# KiCad board kimotor-project.kicad_pcb (continued)
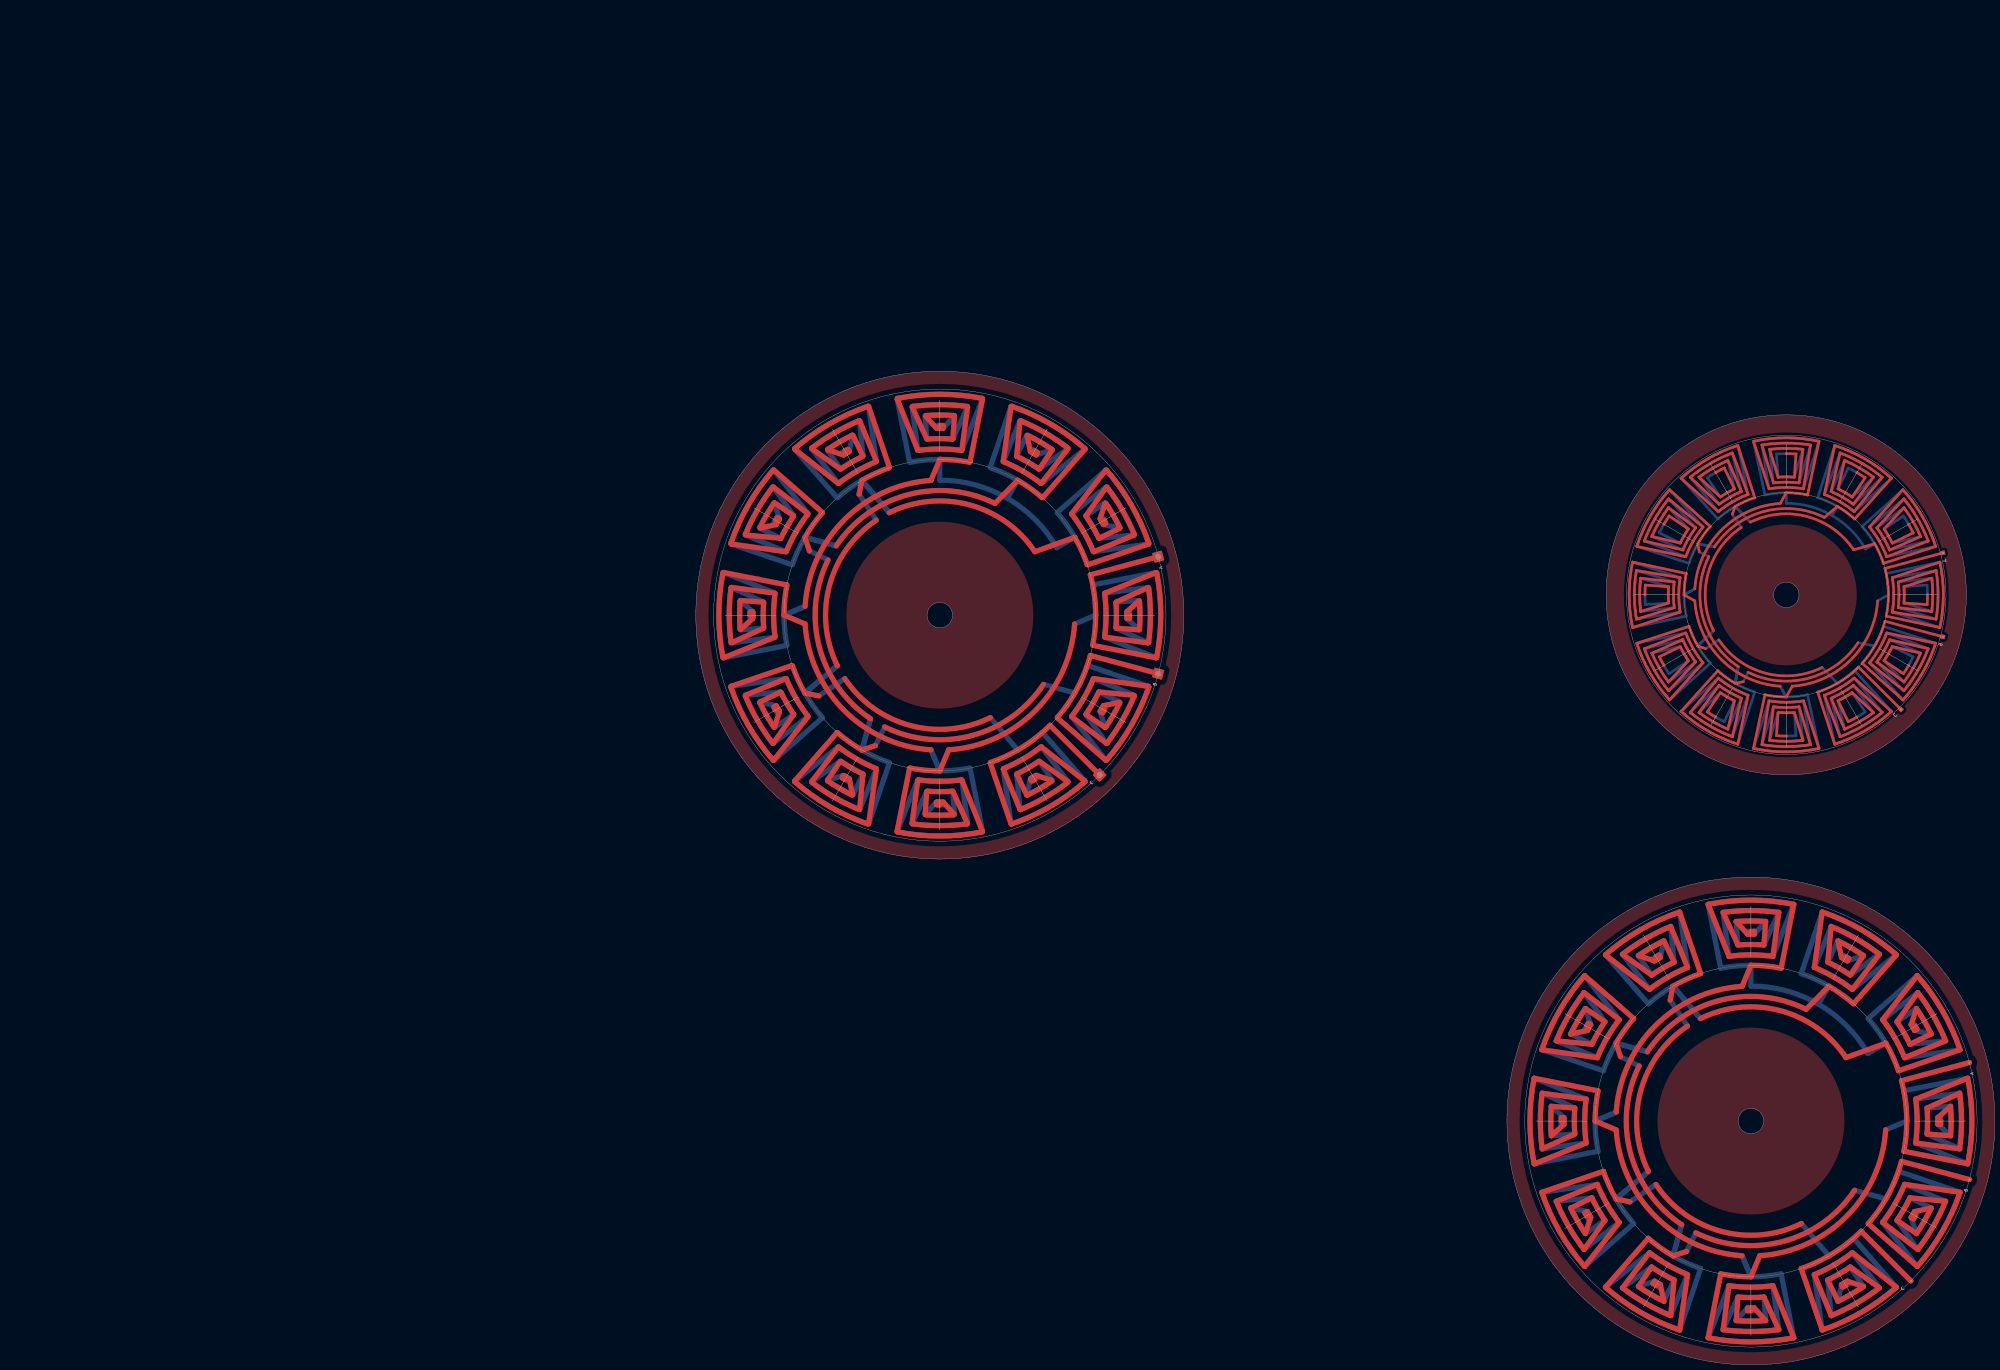
[diagram p0: board, top side]
## Routing (per net, layer and track width the routed paths; a pad name or vN(x,y) marks a point on that pad's centre or on a via; arc(x,y) is an arc through that point) (continued)
-149.25,466.02 ; -154.18,472.81 arc(-146.94,461.33) -149.25,466.02 ; -154.18,472.81 arc(-146.94,461.33) -149.25,466.02 ; -154.18,472.81 arc(-146.94,461.33) -149.25,466.02 ; -154.18,472.81 arc(-146.94,461.33) -149.25,466.02 ; -154.18,472.81 arc(-146.94,461.33) -149.25,466.02 ; -154.18,472.81 arc(-146.94,461.33) -149.25,466.02 ; -154.18,472.81 arc(-146.94,461.33) -149.25,466.02 ; -154.18,472.81 arc(-146.94,461.33) -149.25,466.02 ; -154.18,472.81 arc(-146.94,461.33) -149.25,466.02 ; -138.21,487.2 arc(-130.63,476.77) -125.39,464.99 ; -138.21,487.2 arc(-130.63,476.77) -125.39,464.99 ; -138.21,487.2 arc(-130.63,476.77) -125.39,464.99 ; -138.21,487.2 arc(-130.63,476.77) -125.39,464.99 ; -138.21,487.2 arc(-130.63,476.77) -125.39,464.99 ; -138.21,487.2 arc(-130.63,476.77) -125.39,464.99 ; -138.21,487.2 arc(-130.63,476.77) -125.39,464.99 ; -138.21,487.2 arc(-130.63,476.77) -125.39,464.99 ; -138.21,487.2 arc(-130.63,476.77) -125.39,464.99 ; -125.39,464.99 -144.56,460.95 ; -125.39,464.99 -144.56,460.95 ; -125.39,464.99 -144.56,460.95 ; -125.39,464.99 -144.56,460.95 ; -125.39,464.99 -144.56,460.95 ; -125.39,464.99 -144.56,460.95 ; -125.39,464.99 -144.56,460.95 ; -125.39,464.99 -144.56,460.95 ; -125.39,464.99 -144.56,460.95 ; -144.56,460.95 -125.86,464.83 ; -144.56,460.95 -125.86,464.83 ; -144.56,460.95 -125.86,464.83 ; -144.56,460.95 arc(-147.46,467.06) -151.3,472.62 ; -144.56,460.95 arc(-147.46,467.06) -151.3,472.62 ; -144.56,460.95 arc(-147.46,467.06) -151.3,472.62 ; -144.56,460.95 arc(-147.46,467.06) -151.3,472.62 ; -144.56,460.95 arc(-147.46,467.06) -151.3,472.62 ; -144.56,460.95 arc(-147.46,467.06) -151.3,472.62 ; -144.56,460.95 arc(-147.46,467.06) -151.3,472.62 ; -144.56,460.95 arc(-147.46,467.06) -151.3,472.62 ; -144.56,460.95 arc(-147.46,467.06) -151.3,472.62 ; -144.56,460.95 arc(-147.46,467.06) -151.3,472.62 ; -144.56,460.95 arc(-147.46,467.06) -151.3,472.62 ; -144.56,460.95 arc(-147.46,467.06) -151.3,472.62 ; -225.42,439.28 -242.55,436.5 ; -225.42,439.28 -242.55,436.5 ; -225.42,439.28 -242.55,436.5 ; -225.42,439.28 -242.55,436.5 ; -225.42,439.28 -242.06,436.58 ; -225.42,439.28 -242.55,436.5 ; -225.42,439.28 -242.55,436.5 ; -225.42,439.28 -242.55,436.5 ; -225.42,439.28 -242.06,436.58 ; -225.42,439.28 -242.55,436.5 ; -225.42,439.28 -242.06,436.58 ; -225.42,439.28 -242.55,436.5 ; -225.42,439.28 arc(-225.96,446.02) -225.42,452.76 ; -225.42,439.28 arc(-225.96,446.02) -225.42,452.76 ; -225.42,439.28 arc(-225.96,446.02) -225.42,452.76 ; -225.42,439.28 arc(-225.96,446.02) -225.42,452.76 ; -225.42,439.28 arc(-225.96,446.02) -225.42,452.76 ; -225.42,439.28 arc(-225.96,446.02) -225.42,452.76 ; -225.42,439.28 arc(-225.96,446.02) -225.42,452.76 ; -225.42,439.28 arc(-225.96,446.02) -225.42,452.76 ; -225.42,439.28 arc(-225.96,446.02) -225.42,452.76 ; -225.42,439.28 arc(-225.96,446.02) -225.42,452.76 ; -225.42,439.28 arc(-225.96,446.02) -225.42,452.76 ; -225.42,439.28 arc(-225.96,446.02) -225.42,452.76 ; -180.69,399.93 -180.06,390.86 ; -180.69,399.93 -180.1,391.36 ; -180.69,399.93 -180.06,390.86 ; -180.69,399.93 -180.06,390.86 ; -180.69,399.93 -180.06,390.86 ; -180.69,399.93 -180.1,391.36 ; -180.69,399.93 -180.06,390.86 ; -180.69,399.93 -180.06,390.86 ; -180.69,399.93 -180.1,391.36 ; -180.69,399.93 -180.06,390.86 ; -180.69,399.93 -180.06,390.86 ; -180.69,399.93 -180.06,390.86 ; -180.69,399.93 arc(-183.89,399.82) -187.09,399.93 ; -180.69,399.93 arc(-183.89,399.82) -187.09,399.93 ; -180.69,399.93 arc(-183.89,399.82) -187.09,399.93 ; -180.69,399.93 arc(-183.89,399.82) -187.09,399.93 ; -180.69,399.93 arc(-183.89,399.82) -187.09,399.93 ; -180.69,399.93 arc(-183.89,399.82) -187.09,399.93 ; -180.69,399.93 arc(-183.89,399.82) -187.09,399.93 ; -180.69,399.93 arc(-183.89,399.82) -187.09,399.93 ; -180.69,399.93 arc(-183.89,399.82) -187.09,399.93 ; -180.69,399.93 arc(-183.89,399.82) -187.09,399.93 ; -180.69,399.93 arc(-183.89,399.82) -187.09,399.93 ; -180.69,399.93 arc(-183.89,399.82) -187.09,399.93 ; -180.06,390.86 arc(-191.11,391.2) -183.89,390.73 ; -180.06,390.86 arc(-191.11,391.2) -183.89,390.73 ; -180.06,390.86 arc(-191.11,391.2) -183.89,390.73 ; -180.06,390.86 arc(-191.11,391.2) -183.89,390.73 ; -180.06,390.86 arc(-191.11,391.2) -183.89,390.73 ; -180.06,390.86 arc(-191.11,391.2) -183.89,390.73 ; -180.06,390.86 arc(-191.11,391.2) -183.89,390.73 ; -180.06,390.86 arc(-191.11,391.2) -183.89,390.73 ; -180.06,390.86 arc(-191.11,391.2) -183.89,390.73 ; -164.92,387.52 -168.96,406.69 ; -164.92,387.52 -168.96,406.69 ; -164.92,387.52 -168.96,406.69 ; -164.92,387.52 -168.96,406.69 ; -164.92,387.52 -168.96,406.69 ; -164.92,387.52 -168.96,406.69 ; -164.92,387.52 -168.96,406.69 ; -164.92,387.52 -168.96,406.69 ; -164.92,387.52 -168.96,406.69 ; -168.96,406.69 -165.08,388 ; -168.96,406.69 -165.08,388 ; -168.96,406.69 -165.08,388 ; -168.96,406.69 arc(-162.86,409.59) -157.29,413.43 ; -168.96,406.69 arc(-162.86,409.59) -157.29,413.43 ; -168.96,406.69 arc(-162.86,409.59) -157.29,413.43 ; -168.96,406.69 arc(-162.86,409.59) -157.29,413.43 ; -168.96,406.69 arc(-162.86,409.59) -157.29,413.43 ; -168.96,406.69 arc(-162.86,409.59) -157.29,413.43 ; -168.96,406.69 arc(-162.86,409.59) -157.29,413.43 ; -168.96,406.69 arc(-162.86,409.59) -157.29,413.43 ; -168.96,406.69 arc(-162.86,409.59) -157.29,413.43 ; -168.96,406.69 arc(-162.86,409.59) -157.29,413.43 ; -168.96,406.69 arc(-162.86,409.59) -157.29,413.43 ; -168.96,406.69 arc(-162.86,409.59) -157.29,413.43 ; -209.71,484.34 -214.79,491.88 ; -209.71,484.34 -214.79,491.88 ; -209.71,484.34 -214.79,491.88 ; -209.71,484.34 -214.79,491.88 ; -209.71,484.34 -214.79,491.88 ; -209.71,484.34 -214.51,491.47 ; -209.71,484.34 -214.51,491.47 ; -209.71,484.34 -214.79,491.88 ; -209.71,484.34 -214.79,491.88 ; -209.71,484.34 -214.79,491.88 ; -209.71,484.34 -214.79,491.88 ; -209.71,484.34 -214.51,491.47 ; -209.71,484.34 arc(-206.99,486.04) -204.17,487.54 ; -209.71,484.34 arc(-206.99,486.04) -204.17,487.54 ; -209.71,484.34 arc(-206.99,486.04) -204.17,487.54 ; -209.71,484.34 arc(-206.99,486.04) -204.17,487.54 ; -209.71,484.34 arc(-206.99,486.04) -204.17,487.54 ; -209.71,484.34 arc(-206.99,486.04) -204.17,487.54 ; -209.71,484.34 arc(-206.99,486.04) -204.17,487.54 ; -209.71,484.34 arc(-206.99,486.04) -204.17,487.54 ; -209.71,484.34 arc(-206.99,486.04) -204.17,487.54 ; -209.71,484.34 arc(-206.99,486.04) -204.17,487.54 ; -209.71,484.34 arc(-206.99,486.04) -204.17,487.54 ; -209.71,484.34 arc(-206.99,486.04) -204.17,487.54 ; -214.79,491.88 arc(-205.05,497.11) -211.54,493.91 ; -214.79,491.88 arc(-205.05,497.11) -211.54,493.91 ; -214.79,491.88 arc(-205.05,497.11) -211.54,493.91 ; -214.79,491.88 arc(-205.05,497.11) -211.54,493.91 ; -214.79,491.88 arc(-205.05,497.11) -211.54,493.91 ; -214.79,491.88 arc(-205.05,497.11) -211.54,493.91 ; -214.79,491.88 arc(-205.05,497.11) -211.54,493.91 ; -214.79,491.88 arc(-205.05,497.11) -211.54,493.91 ; -214.79,491.88 arc(-205.05,497.11) -211.54,493.91 ; -177.36,503.01 -180.69,492.11 ; -177.36,503.01 -180.69,492.11 ; -177.36,503.01 -180.69,492.11 ; -177.36,503.01 -180.69,492.11 ; -177.36,503.01 -180.69,492.11 ; -177.36,503.01 -180.69,492.11 ; -177.36,503.01 -180.69,492.11 ; -177.36,503.01 -180.69,492.11 ; -177.36,503.01 -180.69,492.11 ; -177.36,503.01 arc(-183.89,503.39) -190.42,503.01 ; -177.36,503.01 arc(-183.89,503.39) -190.42,503.01 ; -177.36,503.01 arc(-183.89,503.39) -190.42,503.01 ; -177.36,503.01 arc(-183.89,503.39) -190.42,503.01 ; -177.36,503.01 arc(-183.89,503.39) -190.42,503.01 ; -177.36,503.01 arc(-183.89,503.39) -190.42,503.01 ; -177.36,503.01 arc(-183.89,503.39) -190.42,503.01 ; -177.36,503.01 arc(-183.89,503.39) -190.42,503.01 ; -177.36,503.01 arc(-183.89,503.39) -190.42,503.01 ; -180.69,492.11 -177.42,502.52 ; -180.69,492.11 -177.42,502.52 ; -180.69,492.11 -177.42,502.52 ; -224.74,400.72 arc(-214.39,393.19) -202.7,388 ; -224.74,400.72 arc(-214.39,393.19) -202.7,388 ; -224.74,400.72 arc(-214.39,393.19) -202.7,388 ; -148.43,472.3 -137.8,480.17 ; -148.43,472.3 -138.2,479.87 ; -148.43,472.3 -137.8,480.17 ; -148.43,472.3 -137.8,480.17 ; -148.43,472.3 -137.8,480.17 ; -148.43,472.3 -137.8,480.17 ; -148.43,472.3 -137.8,480.17 ; -148.43,472.3 -138.2,479.87 ; -148.43,472.3 -137.8,480.17 ; -148.43,472.3 -138.2,479.87 ; -148.43,472.3 -137.8,480.17 ; -148.43,472.3 -137.8,480.17 ; -148.43,472.3 arc(-145.67,468.09) -143.41,463.6 ; -148.43,472.3 arc(-145.67,468.09) -143.41,463.6 ; -148.43,472.3 arc(-145.67,468.09) -143.41,463.6 ; -148.43,472.3 arc(-145.67,468.09) -143.41,463.6 ; -148.43,472.3 arc(-145.67,468.09) -143.41,463.6 ; -148.43,472.3 arc(-145.67,468.09) -143.41,463.6 ; -148.43,472.3 arc(-145.67,468.09) -143.41,463.6 ; -148.43,472.3 arc(-145.67,468.09) -143.41,463.6 ; -148.43,472.3 arc(-145.67,468.09) -143.41,463.6 ; -148.43,472.3 arc(-145.67,468.09) -143.41,463.6 ; -148.43,472.3 arc(-145.67,468.09) -143.41,463.6 ; -148.43,472.3 arc(-145.67,468.09) -143.41,463.6 ; -137.8,480.17 arc(-134.21,474.7) -131.27,468.87 ; -137.8,480.17 arc(-134.21,474.7) -131.27,468.87 ; -137.8,480.17 arc(-134.21,474.7) -131.27,468.87 ; -137.8,480.17 arc(-134.21,474.7) -131.27,468.87 ; -137.8,480.17 arc(-134.21,474.7) -131.27,468.87 ; -137.8,480.17 arc(-134.21,474.7) -131.27,468.87 ; -137.8,480.17 arc(-134.21,474.7) -131.27,468.87 ; -137.8,480.17 arc(-134.21,474.7) -131.27,468.87 ; -137.8,480.17 arc(-134.21,474.7) -131.27,468.87 ; -206.53,498.18 -204.17,487.54 ; -206.53,498.18 -204.17,487.54 ; -206.53,498.18 -204.17,487.54 ; -206.53,498.18 arc(-212.32,495.27) -217.74,491.71 ; -206.53,498.18 arc(-212.32,495.27) -217.74,491.71 ; -206.53,498.18 arc(-212.32,495.27) -217.74,491.71 ; -204.17,487.54 -206.73,498.64 ; -204.17,487.54 -206.73,498.64 ; -204.17,487.54 -206.73,498.64 ; -204.17,487.54 -206.73,498.64 ; -204.17,487.54 -206.73,498.64 ; -204.17,487.54 -206.73,498.64 ; -204.17,487.54 -206.73,498.64 ; -204.17,487.54 -206.73,498.64 ; -204.17,487.54 -206.73,498.64 ; -240.39,439.55 arc(-240.75,446.02) -240.39,452.49 ; -240.39,439.55 arc(-240.75,446.02) -240.39,452.49 ; -240.39,439.55 arc(-240.75,446.02) -240.39,452.49 ; -223.22,460.95 -239.46,467.11 ; -223.22,460.95 -239.46,467.11 ; -223.22,460.95 -239.46,467.11 ; -223.22,460.95 -239.46,467.11 ; -223.22,460.95 -239.46,467.11 ; -223.22,460.95 -238.99,466.93 ; -223.22,460.95 -238.99,466.93 ; -223.22,460.95 -238.99,466.93 ; -223.22,460.95 -239.46,467.11 ; -223.22,460.95 -239.46,467.11 ; -223.22,460.95 -239.46,467.11 ; -223.22,460.95 -239.46,467.11 ; -213.6,419.24 -229.57,404.84 ; -213.6,419.24 -229.57,404.84 ; -213.6,419.24 -229.57,404.84 ; -213.6,419.24 -229.57,404.84 ; -213.6,419.24 -229.57,404.84 ; -213.6,419.24 -229.57,404.84 ; -213.6,419.24 -229.2,405.18 ; -213.6,419.24 -229.2,405.18 ; -213.6,419.24 -229.2,405.18 ; -213.6,419.24 -229.57,404.84 ; -213.6,419.24 -229.57,404.84 ; -213.6,419.24 -229.57,404.84 ; -213.6,419.24 arc(-220.85,430.71) -218.53,426.02 ; -213.6,419.24 arc(-220.85,430.71) -218.53,426.02 ; -213.6,419.24 arc(-220.85,430.71) -218.53,426.02 ; -213.6,419.24 arc(-220.85,430.71) -218.53,426.02 ; -213.6,419.24 arc(-220.85,430.71) -218.53,426.02 ; -213.6,419.24 arc(-220.85,430.71) -218.53,426.02 ; -213.6,419.24 arc(-220.85,430.71) -218.53,426.02 ; -213.6,419.24 arc(-220.85,430.71) -218.53,426.02 ; -213.6,419.24 arc(-220.85,430.71) -218.53,426.02 ; -213.6,419.24 arc(-220.85,430.71) -218.53,426.02 ; -213.6,419.24 arc(-220.85,430.71) -218.53,426.02 ; -213.6,419.24 arc(-220.85,430.71) -218.53,426.02 ; -192.23,485.14 -196.72,506.17 ; -192.23,485.14 -196.72,506.17 ; -192.23,485.14 -196.72,506.17 ; -192.23,485.14 -196.72,506.17 ; -192.23,485.14 -196.61,505.68 ; -192.23,485.14 -196.72,506.17 ; -192.23,485.14 -196.61,505.68 ; -192.23,485.14 -196.72,506.17 ; -192.23,485.14 -196.72,506.17 ; -192.23,485.14 -196.72,506.17 ; -192.23,485.14 -196.72,506.17 ; -192.23,485.14 -196.61,505.68 ; -192.23,485.14 arc(-178.67,485.68) -183.89,486.02 ; -192.23,485.14 arc(-178.67,485.68) -183.89,486.02 ; -192.23,485.14 arc(-178.67,485.68) -183.89,486.02 ; -192.23,485.14 arc(-178.67,485.68) -183.89,486.02 ; -192.23,485.14 arc(-178.67,485.68) -183.89,486.02 ; -192.23,485.14 arc(-178.67,485.68) -183.89,486.02 ; -192.23,485.14 arc(-178.67,485.68) -183.89,486.02 ; -192.23,485.14 arc(-178.67,485.68) -183.89,486.02 ; -192.23,485.14 arc(-178.67,485.68) -183.89,486.02 ; -192.23,485.14 arc(-178.67,485.68) -183.89,486.02 ; -192.23,485.14 arc(-178.67,485.68) -183.89,486.02 ; -192.23,485.14 arc(-178.67,485.68) -183.89,486.02 ; -126.9,439.49 -137.8,442.82 ; -126.9,439.49 -137.8,442.82 ; -126.9,439.49 -137.8,442.82 ; -126.9,439.49 -137.8,442.82 ; -126.9,439.49 -137.8,442.82 ; -126.9,439.49 -137.8,442.82 ; -126.9,439.49 -137.8,442.82 ; -126.9,439.49 -137.8,442.82 ; -126.9,439.49 -137.8,442.82 ; -137.8,442.82 -127.4,439.55 ; -137.8,442.82 -127.4,439.55 ; -137.8,442.82 -127.4,439.55 ; -137.8,442.82 arc(-137.69,446.02) -137.8,449.22 ; -137.8,442.82 arc(-137.69,446.02) -137.8,449.22 ; -137.8,442.82 arc(-137.69,446.02) -137.8,449.22 ; -137.8,442.82 arc(-137.69,446.02) -137.8,449.22 ; -137.8,442.82 arc(-137.69,446.02) -137.8,449.22 ; -137.8,442.82 arc(-137.69,446.02) -137.8,449.22 ; -137.8,442.82 arc(-137.69,446.02) -137.8,449.22 ; -137.8,442.82 arc(-137.69,446.02) -137.8,449.22 ; -137.8,442.82 arc(-137.69,446.02) -137.8,449.22 ; -137.8,442.82 arc(-137.69,446.02) -137.8,449.22 ; -137.8,442.82 arc(-137.69,446.02) -137.8,449.22 ; -137.8,442.82 arc(-137.69,446.02) -137.8,449.22 ; -223.01,437.68 -244.04,433.2 ; -223.01,437.68 -244.04,433.2 ; -223.01,437.68 -244.04,433.2 ; -223.01,437.68 -243.55,433.3 ; -223.01,437.68 -243.55,433.3 ; -223.01,437.68 -244.04,433.2 ; -223.01,437.68 -244.04,433.2 ; -223.01,437.68 -244.04,433.2 ; -223.01,437.68 -244.04,433.2 ; -223.01,437.68 -244.04,433.2 ; -223.01,437.68 -244.04,433.2 ; -223.01,437.68 -243.55,433.3 ; -223.01,437.68 arc(-223.55,451.24) -223.89,446.02 ; -223.01,437.68 arc(-223.55,451.24) -223.89,446.02 ; -223.01,437.68 arc(-223.55,451.24) -223.89,446.02 ; -223.01,437.68 arc(-223.55,451.24) -223.89,446.02 ; -223.01,437.68 arc(-223.55,451.24) -223.89,446.02 ; -223.01,437.68 arc(-223.55,451.24) -223.89,446.02 ; -223.01,437.68 arc(-223.55,451.24) -223.89,446.02 ; -223.01,437.68 arc(-223.55,451.24) -223.89,446.02 ; -223.01,437.68 arc(-223.55,451.24) -223.89,446.02 ; -223.01,437.68 arc(-223.55,451.24) -223.89,446.02 ; -223.01,437.68 arc(-223.55,451.24) -223.89,446.02 ; -223.01,437.68 arc(-223.55,451.24) -223.89,446.02 ; -244.04,433.2 arc(-245.39,446.02) -244.04,458.85 ; -244.04,433.2 arc(-245.39,446.02) -244.04,458.85 ; -244.04,433.2 arc(-245.39,446.02) -244.04,458.85 ; -244.04,433.2 arc(-245.39,446.02) -244.04,458.85 ; -244.04,433.2 arc(-245.39,446.02) -244.04,458.85 ; -244.04,433.2 arc(-245.39,446.02) -244.04,458.85 ; -244.04,433.2 arc(-245.39,446.02) -244.04,458.85 ; -244.04,433.2 arc(-245.39,446.02) -244.04,458.85 ; -244.04,433.2 arc(-245.39,446.02) -244.04,458.85 ; -236.05,423.38 -225.41,425.74 ; -236.05,423.38 -225.41,425.74 ; -236.05,423.38 -225.41,425.74 ; -236.05,423.38 arc(-233.14,417.59) -229.58,412.17 ; -236.05,423.38 arc(-233.14,417.59) -229.58,412.17 ; -236.05,423.38 arc(-233.14,417.59) -229.58,412.17 ; -225.41,425.74 -236.51,423.18 ; -225.41,425.74 -236.51,423.18 ; -225.41,425.74 -236.51,423.18 ; -225.41,425.74 -236.51,423.18 ; -225.41,425.74 -236.51,423.18 ; -225.41,425.74 -236.51,423.18 ; -225.41,425.74 -236.51,423.18 ; -225.41,425.74 -236.51,423.18 ; -225.41,425.74 -236.51,423.18 ; -146.63,491.68 arc(-154.42,497.06) -162.98,501.12 ; -146.63,491.68 arc(-154.42,497.06) -162.98,501.12 ; -146.63,491.68 arc(-154.42,497.06) -162.98,501.12 ; -229.55,483.28 arc(-234.93,475.49) -238.99,466.93 ; -229.55,483.28 arc(-234.93,475.49) -238.99,466.93 ; -229.55,483.28 arc(-234.93,475.49) -238.99,466.93 ; -190.42,389.03 -187.09,399.93 ; -190.42,389.03 -187.09,399.93 ; -190.42,389.03 -187.09,399.93 ; -190.42,389.03 -187.09,399.93 ; -190.42,389.03 -187.09,399.93 ; -190.42,389.03 -187.09,399.93 ; -190.42,389.03 -187.09,399.93 ; -190.42,389.03 -187.09,399.93 ; -190.42,389.03 -187.09,399.93 ; -190.42,389.03 arc(-183.89,388.66) -177.36,389.03 ; -190.42,389.03 arc(-183.89,388.66) -177.36,389.03 ; -190.42,389.03 arc(-183.89,388.66) -177.36,389.03 ; -190.42,389.03 arc(-183.89,388.66) -177.36,389.03 ; -190.42,389.03 arc(-183.89,388.66) -177.36,389.03 ; -190.42,389.03 arc(-183.89,388.66) -177.36,389.03 ; -190.42,389.03 arc(-183.89,388.66) -177.36,389.03 ; -190.42,389.03 arc(-183.89,388.66) -177.36,389.03 ; -190.42,389.03 arc(-183.89,388.66) -177.36,389.03 ; -187.09,399.93 -190.36,389.53 ; -187.09,399.93 -190.36,389.53 ; -187.09,399.93 -190.36,389.53 ; -241.92,427.21 arc(-236.72,415.52) -229.2,405.18 ; -241.92,427.21 arc(-236.72,415.52) -229.2,405.18 ; -241.92,427.21 arc(-236.72,415.52) -229.2,405.18 ; -128.33,467.11 -143.41,463.6 ; -128.33,467.11 -143.41,463.6 ; -128.33,467.11 -143.41,463.6 ; -128.33,467.11 -143.41,463.6 ; -128.33,467.11 -143.41,463.6 ; -128.33,467.11 -143.41,463.6 ; -128.33,467.11 -143.41,463.6 ; -128.33,467.11 -143.41,463.6 ; -128.33,467.11 -143.41,463.6 ; -128.33,467.11 arc(-132.42,475.74) -137.85,483.6 ; -128.33,467.11 arc(-132.42,475.74) -137.85,483.6 ; -128.33,467.11 arc(-132.42,475.74) -137.85,483.6 ; -128.33,467.11 arc(-132.42,475.74) -137.85,483.6 ; -128.33,467.11 arc(-132.42,475.74) -137.85,483.6 ; -128.33,467.11 arc(-132.42,475.74) -137.85,483.6 ; -128.33,467.11 arc(-132.42,475.74) -137.85,483.6 ; -128.33,467.11 arc(-132.42,475.74) -137.85,483.6 ; -128.33,467.11 arc(-132.42,475.74) -137.85,483.6 ; -143.41,463.6 -128.79,466.93 ; -143.41,463.6 -128.79,466.93 ; -143.41,463.6 -128.79,466.93 ; -216.48,419.42 -229.93,408.44 ; -216.48,419.42 -229.93,408.44 ; -216.48,419.42 -229.55,408.76 ; -216.48,419.42 -229.93,408.44 ; -216.48,419.42 -229.93,408.44 ; -216.48,419.42 -229.93,408.44 ; -216.48,419.42 -229.55,408.76 ; -216.48,419.42 -229.93,408.44 ; -216.48,419.42 -229.93,408.44 ; -216.48,419.42 -229.93,408.44 ; -216.48,419.42 -229.55,408.76 ; -216.48,419.42 -229.93,408.44 ; -229.98,442.82 -239.05,442.2 ; -229.98,442.82 -239.05,442.2 ; -229.98,442.82 -238.56,442.23 ; -229.98,442.82 -239.05,442.2 ; -229.98,442.82 -239.05,442.2 ; -229.98,442.82 -239.05,442.2 ; -229.98,442.82 -238.56,442.23 ; -229.98,442.82 -239.05,442.2 ; -229.98,442.82 -239.05,442.2 ; -229.98,442.82 -239.05,442.2 ; -229.98,442.82 -238.56,442.23 ; -229.98,442.82 -239.05,442.2 ; -239.05,442.2 arc(-238.71,453.24) -239.19,446.02 ; -239.05,442.2 arc(-238.71,453.24) -239.19,446.02 ; -239.05,442.2 arc(-238.71,453.24) -239.19,446.02 ; -239.05,442.2 arc(-238.71,453.24) -239.19,446.02 ; -239.05,442.2 arc(-238.71,453.24) -239.19,446.02 ; -239.05,442.2 arc(-238.71,453.24) -239.19,446.02 ; -239.05,442.2 arc(-238.71,453.24) -239.19,446.02 ; -239.05,442.2 arc(-238.71,453.24) -239.19,446.02 ; -239.05,442.2 arc(-238.71,453.24) -239.19,446.02 ; -201.47,405.54 -206.73,393.4 ; -201.47,405.54 -206.73,393.4 ; -201.47,405.54 -206.73,393.4 ; -201.47,405.54 -206.53,393.86 ; -201.47,405.54 -206.73,393.4 ; -201.47,405.54 -206.53,393.86 ; -201.47,405.54 -206.73,393.4 ; -201.47,405.54 -206.73,393.4 ; -201.47,405.54 -206.53,393.86 ; -201.47,405.54 -206.73,393.4 ; -201.47,405.54 -206.73,393.4 ; -201.47,405.54 -206.73,393.4 ; -201.47,405.54 arc(-205.96,407.8) -210.16,410.56 ; -201.47,405.54 arc(-205.96,407.8) -210.16,410.56 ; -201.47,405.54 arc(-205.96,407.8) -210.16,410.56 ; -201.47,405.54 arc(-205.96,407.8) -210.16,410.56 ; -201.47,405.54 arc(-205.96,407.8) -210.16,410.56 ; -201.47,405.54 arc(-205.96,407.8) -210.16,410.56 ; -201.47,405.54 arc(-205.96,407.8) -210.16,410.56 ; -201.47,405.54 arc(-205.96,407.8) -210.16,410.56 ; -201.47,405.54 arc(-205.96,407.8) -210.16,410.56 ; -201.47,405.54 arc(-205.96,407.8) -210.16,410.56 ; -201.47,405.54 arc(-205.96,407.8) -210.16,410.56 ; -201.47,405.54 arc(-205.96,407.8) -210.16,410.56 ; -206.73,393.4 arc(-212.57,396.34) -218.04,399.93 ; -206.73,393.4 arc(-212.57,396.34) -218.04,399.93 ; -206.73,393.4 arc(-212.57,396.34) -218.04,399.93 ; -206.73,393.4 arc(-212.57,396.34) -218.04,399.93 ; -206.73,393.4 arc(-212.57,396.34) -218.04,399.93 ; -206.73,393.4 arc(-212.57,396.34) -218.04,399.93 ; -206.73,393.4 arc(-212.57,396.34) -218.04,399.93 ; -206.73,393.4 arc(-212.57,396.34) -218.04,399.93 ; -206.73,393.4 arc(-212.57,396.34) -218.04,399.93 ; -127.4,452.49 arc(-127.03,446.02) -127.4,439.55 ; -127.4,452.49 arc(-127.03,446.02) -127.4,439.55 ; -127.4,452.49 arc(-127.03,446.02) -127.4,439.55 ; -188.91,489.87 -190.42,503.01 ; -188.91,489.87 -190.42,503.01 ; -188.91,489.87 -190.42,503.01 ; -188.91,489.87 -190.42,503.01 ; -188.91,489.87 -190.42,503.01 ; -188.91,489.87 -190.42,503.01 ; -188.91,489.87 -190.42,503.01 ; -188.91,489.87 -190.42,503.01 ; -188.91,489.87 -190.36,502.52 ; -188.91,489.87 -190.36,502.52 ; -188.91,489.87 -190.42,503.01 ; -188.91,489.87 -190.36,502.52 ; -162.98,390.92 -166.31,405.54 ; -162.98,390.92 -166.31,405.54 ; -162.98,390.92 -166.31,405.54 ; -162.98,390.92 arc(-154.42,394.99) -146.63,400.36 ; -162.98,390.92 arc(-154.42,394.99) -146.63,400.36 ; -162.98,390.92 arc(-154.42,394.99) -146.63,400.36 ; -166.31,405.54 -162.8,390.46 ; -166.31,405.54 -162.8,390.46 ; -166.31,405.54 -162.8,390.46 ; -166.31,405.54 -162.8,390.46 ; -166.31,405.54 -162.8,390.46 ; -166.31,405.54 -162.8,390.46 ; -166.31,405.54 -162.8,390.46 ; -166.31,405.54 -162.8,390.46 ; -166.31,405.54 -162.8,390.46 ; -145.57,471.84 -138.03,476.92 ; -145.57,471.84 -138.03,476.92 ; -145.57,471.84 -138.03,476.92 ; -145.57,471.84 -138.45,476.64 ; -145.57,471.84 -138.03,476.92 ; -145.57,471.84 -138.03,476.92 ; -145.57,471.84 -138.45,476.64 ; -145.57,471.84 -138.03,476.92 ; -145.57,471.84 -138.03,476.92 ; -145.57,471.84 -138.45,476.64 ; -145.57,471.84 -138.03,476.92 ; -145.57,471.84 -138.03,476.92 ; -145.57,471.84 arc(-143.88,469.12) -142.37,466.3 ; -145.57,471.84 arc(-143.88,469.12) -142.37,466.3 ; -145.57,471.84 arc(-143.88,469.12) -142.37,466.3 ; -145.57,471.84 arc(-143.88,469.12) -142.37,466.3 ; -145.57,471.84 arc(-143.88,469.12) -142.37,466.3 ; -145.57,471.84 arc(-143.88,469.12) -142.37,466.3 ; -145.57,471.84 arc(-143.88,469.12) -142.37,466.3 ; -145.57,471.84 arc(-143.88,469.12) -142.37,466.3 ; -145.57,471.84 arc(-143.88,469.12) -142.37,466.3 ; -145.57,471.84 arc(-143.88,469.12) -142.37,466.3 ; -145.57,471.84 arc(-143.88,469.12) -142.37,466.3 ; -145.57,471.84 arc(-143.88,469.12) -142.37,466.3 ; -138.03,476.92 arc(-132.8,467.18) -136,473.67 ; -138.03,476.92 arc(-132.8,467.18) -136,473.67 ; -138.03,476.92 arc(-132.8,467.18) -136,473.67 ; -138.03,476.92 arc(-132.8,467.18) -136,473.67 ; -138.03,476.92 arc(-132.8,467.18) -136,473.67 ; -138.03,476.92 arc(-132.8,467.18) -136,473.67 ; -138.03,476.92 arc(-132.8,467.18) -136,473.67 ; -138.03,476.92 arc(-132.8,467.18) -136,473.67 ; -138.03,476.92 arc(-132.8,467.18) -136,473.67 ; -138.23,408.76 -148.43,419.75 ; -138.23,408.76 -148.43,419.75 ; -138.23,408.76 -148.43,419.75 ; -138.23,408.76 arc(-132.85,416.56) -128.79,425.11 ; -138.23,408.76 arc(-132.85,416.56) -128.79,425.11 ; -138.23,408.76 arc(-132.85,416.56) -128.79,425.11 ; -148.43,419.75 -137.85,408.44 ; -148.43,419.75 -137.85,408.44 ; -148.43,419.75 -137.85,408.44 ; -148.43,419.75 -137.85,408.44 ; -148.43,419.75 -137.85,408.44 ; -148.43,419.75 -137.85,408.44 ; -148.43,419.75 -137.85,408.44 ; -148.43,419.75 -137.85,408.44 ; -148.43,419.75 -137.85,408.44 ; -150.04,400.33 arc(-155.46,396.78) -161.25,393.86 ; -150.04,400.33 arc(-155.46,396.78) -161.25,393.86 ; -150.04,400.33 arc(-155.46,396.78) -161.25,393.86 ; -210.16,481.49 -217.74,491.71 ; -210.16,481.49 -218.04,492.11 ; -210.16,481.49 -217.74,491.71 ; -210.16,481.49 -217.74,491.71 ; -210.16,481.49 -218.04,492.11 ; -210.16,481.49 -218.04,492.11 ; -210.16,481.49 -218.04,492.11 ; -210.16,481.49 -218.04,492.11 ; -210.16,481.49 -218.04,492.11 ; -210.16,481.49 -218.04,492.11 ; -210.16,481.49 -218.04,492.11 ; -210.16,481.49 -218.04,492.11 ; -210.16,481.49 arc(-205.96,484.24) -201.47,486.51 ; -210.16,481.49 arc(-205.96,484.24) -201.47,486.51 ; -210.16,481.49 arc(-205.96,484.24) -201.47,486.51 ; -210.16,481.49 arc(-205.96,484.24) -201.47,486.51 ; -210.16,481.49 arc(-205.96,484.24) -201.47,486.51 ; -210.16,481.49 arc(-205.96,484.24) -201.47,486.51 ; -210.16,481.49 arc(-205.96,484.24) -201.47,486.51 ; -210.16,481.49 arc(-205.96,484.24) -201.47,486.51 ; -210.16,481.49 arc(-205.96,484.24) -201.47,486.51 ; -210.16,481.49 arc(-205.96,484.24) -201.47,486.51 ; -210.16,481.49 arc(-205.96,484.24) -201.47,486.51 ; -210.16,481.49 arc(-205.96,484.24) -201.47,486.51 ; -236.05,468.67 arc(-233.14,474.45) -229.58,479.87 ; -236.05,468.67 arc(-233.14,474.45) -229.58,479.87 ; -236.05,468.67 arc(-233.14,474.45) -229.58,479.87 ; -242.06,455.46 arc(-242.82,446.02) -242.06,436.58 ; -242.06,455.46 arc(-242.82,446.02) -242.06,436.58 ; -242.06,455.46 arc(-242.82,446.02) -242.06,436.58 ; -175.55,406.9 -171.17,386.36 ; -175.55,406.9 -171.17,386.36 ; -175.55,406.9 -171.07,385.87 ; -175.55,406.9 -171.17,386.36 ; -175.55,406.9 -171.07,385.87 ; -175.55,406.9 -171.07,385.87 ; -175.55,406.9 -171.07,385.87 ; -175.55,406.9 -171.07,385.87 ; -175.55,406.9 -171.07,385.87 ; -175.55,406.9 -171.07,385.87 ; -175.55,406.9 -171.07,385.87 ; -175.55,406.9 -171.07,385.87 ; -175.55,406.9 arc(-189.11,406.36) -183.89,406.02 ; -175.55,406.9 arc(-189.11,406.36) -183.89,406.02 ; -175.55,406.9 arc(-189.11,406.36) -183.89,406.02 ; -175.55,406.9 arc(-189.11,406.36) -183.89,406.02 ; -175.55,406.9 arc(-189.11,406.36) -183.89,406.02 ; -175.55,406.9 arc(-189.11,406.36) -183.89,406.02 ; -175.55,406.9 arc(-189.11,406.36) -183.89,406.02 ; -175.55,406.9 arc(-189.11,406.36) -183.89,406.02 ; -175.55,406.9 arc(-189.11,406.36) -183.89,406.02 ; -175.55,406.9 arc(-189.11,406.36) -183.89,406.02 ; -175.55,406.9 arc(-189.11,406.36) -183.89,406.02 ; -175.55,406.9 arc(-189.11,406.36) -183.89,406.02 ; -171.17,386.36 arc(-183.89,385.02) -196.61,386.36 ; -171.17,386.36 arc(-183.89,385.02) -196.61,386.36 ; -171.17,386.36 arc(-183.89,385.02) -196.61,386.36 ; -187.72,501.19 arc(-176.67,500.84) -183.89,501.32 ; -187.72,501.19 arc(-176.67,500.84) -183.89,501.32 ; -187.72,501.19 arc(-176.67,500.84) -183.89,501.32 ; -187.72,501.19 arc(-176.67,500.84) -183.89,501.32 ; -187.72,501.19 arc(-176.67,500.84) -183.89,501.32 ; -187.72,501.19 arc(-176.67,500.84) -183.89,501.32 ; -187.72,501.19 arc(-176.67,500.84) -183.89,501.32 ; -187.72,501.19 arc(-176.67,500.84) -183.89,501.32 ; -187.72,501.19 arc(-176.67,500.84) -183.89,501.32 ; -137.85,408.44 arc(-132.42,416.31) -128.33,424.94 ; -137.85,408.44 arc(-132.42,416.31) -128.33,424.94 ; -137.85,408.44 arc(-132.42,416.31) -128.33,424.94 ; -137.85,408.44 arc(-132.42,416.31) -128.33,424.94 ; -137.85,408.44 arc(-132.42,416.31) -128.33,424.94 ; -137.85,408.44 arc(-132.42,416.31) -128.33,424.94 ; -137.85,408.44 arc(-132.42,416.31) -128.33,424.94 ; -137.85,408.44 arc(-132.42,416.31) -128.33,424.94 ; -137.85,408.44 arc(-132.42,416.31) -128.33,424.94 ; -168.96,485.35 -162.8,501.59 ; -168.96,485.35 -162.98,501.12 ; -168.96,485.35 -162.8,501.59 ; -168.96,485.35 -162.98,501.12 ; -168.96,485.35 -162.8,501.59 ; -168.96,485.35 -162.8,501.59 ; -168.96,485.35 -162.8,501.59 ; -168.96,485.35 -162.8,501.59 ; -168.96,485.35 -162.8,501.59 ; -168.96,485.35 -162.98,501.12 ; -168.96,485.35 -162.8,501.59 ; -168.96,485.35 -162.8,501.59 ; -168.96,485.35 arc(-162.86,482.45) -157.29,478.61 ; -168.96,485.35 arc(-162.86,482.45) -157.29,478.61 ; -168.96,485.35 arc(-162.86,482.45) -157.29,478.61 ; -168.96,485.35 arc(-162.86,482.45) -157.29,478.61 ; -168.96,485.35 arc(-162.86,482.45) -157.29,478.61 ; -168.96,485.35 arc(-162.86,482.45) -157.29,478.61 ; -168.96,485.35 arc(-162.86,482.45) -157.29,478.61 ; -168.96,485.35 arc(-162.86,482.45) -157.29,478.61 ; -168.96,485.35 arc(-162.86,482.45) -157.29,478.61 ; -168.96,485.35 arc(-162.86,482.45) -157.29,478.61 ; -168.96,485.35 arc(-162.86,482.45) -157.29,478.61 ; -168.96,485.35 arc(-162.86,482.45) -157.29,478.61 ; -138.2,479.87 arc(-134.64,474.45) -131.73,468.67 ; -138.2,479.87 arc(-134.64,474.45) -131.73,468.67 ; -138.2,479.87 arc(-134.64,474.45) -131.73,468.67 ; -144.56,431.1 -128.33,424.94 ; -144.56,431.1 -128.79,425.11 ; -144.56,431.1 -128.33,424.94 ; -144.56,431.1 -128.33,424.94 ; -144.56,431.1 -128.33,424.94 ; -144.56,431.1 -128.33,424.94 ; -144.56,431.1 -128.33,424.94 ; -144.56,431.1 -128.33,424.94 ; -144.56,431.1 -128.79,425.11 ; -144.56,431.1 -128.33,424.94 ; -144.56,431.1 -128.33,424.94 ; -144.56,431.1 -128.79,425.11 ; -144.56,431.1 arc(-147.46,424.99) -151.3,419.42 ; -144.56,431.1 arc(-147.46,424.99) -151.3,419.42 ; -144.56,431.1 arc(-147.46,424.99) -151.3,419.42 ; -144.56,431.1 arc(-147.46,424.99) -151.3,419.42 ; -144.56,431.1 arc(-147.46,424.99) -151.3,419.42 ; -144.56,431.1 arc(-147.46,424.99) -151.3,419.42 ; -144.56,431.1 arc(-147.46,424.99) -151.3,419.42 ; -144.56,431.1 arc(-147.46,424.99) -151.3,419.42 ; -144.56,431.1 arc(-147.46,424.99) -151.3,419.42 ; -144.56,431.1 arc(-147.46,424.99) -151.3,419.42 ; -144.56,431.1 arc(-147.46,424.99) -151.3,419.42 ; -144.56,431.1 arc(-147.46,424.99) -151.3,419.42 ; -151.3,472.62 -137.85,483.6 ; -151.3,472.62 -137.85,483.6 ; -151.3,472.62 -137.85,483.6 ; -151.3,472.62 -137.85,483.6 ; -151.3,472.62 -137.85,483.6 ; -151.3,472.62 -137.85,483.6 ; -151.3,472.62 -137.85,483.6 ; -151.3,472.62 -137.85,483.6 ; -151.3,472.62 -138.23,483.28 ; -151.3,472.62 -137.85,483.6 ; -151.3,472.62 -138.23,483.28 ; -151.3,472.62 -138.23,483.28 ; -171.55,484.07 -164.92,504.52 ; -171.55,484.07 -164.92,504.52 ; -171.55,484.07 -165.08,504.05 ; -171.55,484.07 -165.08,504.05 ; -171.55,484.07 -164.92,504.52 ; -171.55,484.07 -165.08,504.05 ; -171.55,484.07 -164.92,504.52 ; -171.55,484.07 -164.92,504.52 ; -171.55,484.07 -164.92,504.52 ; -171.55,484.07 -164.92,504.52 ; -171.55,484.07 -164.92,504.52 ; -171.55,484.07 -164.92,504.52 ; -171.55,484.07 arc(-159.54,477.76) -163.89,480.66 ; -171.55,484.07 arc(-159.54,477.76) -163.89,480.66 ; -171.55,484.07 arc(-159.54,477.76) -163.89,480.66 ; -171.55,484.07 arc(-159.54,477.76) -163.89,480.66 ; -171.55,484.07 arc(-159.54,477.76) -163.89,480.66 ; -171.55,484.07 arc(-159.54,477.76) -163.89,480.66 ; -171.55,484.07 arc(-159.54,477.76) -163.89,480.66 ; -171.55,484.07 arc(-159.54,477.76) -163.89,480.66 ; -171.55,484.07 arc(-159.54,477.76) -163.89,480.66 ; -171.55,484.07 arc(-159.54,477.76) -163.89,480.66 ; -171.55,484.07 arc(-159.54,477.76) -163.89,480.66 ; -171.55,484.07 arc(-159.54,477.76) -163.89,480.66 ; -164.92,504.52 arc(-153.14,499.28) -142.71,491.7 ; -164.92,504.52 arc(-153.14,499.28) -142.71,491.7 ; -164.92,504.52 arc(-153.14,499.28) -142.71,491.7 ; -164.92,504.52 arc(-153.14,499.28) -142.71,491.7 ; -164.92,504.52 arc(-153.14,499.28) -142.71,491.7 ; -164.92,504.52 arc(-153.14,499.28) -142.71,491.7 ; -164.92,504.52 arc(-153.14,499.28) -142.71,491.7 ; -164.92,504.52 arc(-153.14,499.28) -142.71,491.7 ; -164.92,504.52 arc(-153.14,499.28) -142.71,491.7 ; -131.27,468.87 -142.37,466.3 ; -131.27,468.87 -142.37,466.3 ; -131.27,468.87 -142.37,466.3 ; -131.27,468.87 -142.37,466.3 ; -131.27,468.87 -142.37,466.3 ; -131.27,468.87 -142.37,466.3 ; -131.27,468.87 -142.37,466.3 ; -131.27,468.87 -142.37,466.3 ; -131.27,468.87 -142.37,466.3 ; -142.37,466.3 -131.73,468.67 ; -142.37,466.3 -131.73,468.67 ; -142.37,466.3 -131.73,468.67 ; -204.8,501.12 -201.47,486.51 ; -204.8,501.12 -201.47,486.51 ; -204.8,501.12 -201.47,486.51 ; -204.8,501.12 arc(-213.36,497.06) -221.15,491.68 ; -204.8,501.12 arc(-213.36,497.06) -221.15,491.68 ; -204.8,501.12 arc(-213.36,497.06) -221.15,491.68 ; -201.47,486.51 -204.98,501.59 ; -201.47,486.51 -204.98,501.59 ; -201.47,486.51 -204.98,501.59 ; -201.47,486.51 -204.98,501.59 ; -201.47,486.51 -204.98,501.59 ; -201.47,486.51 -204.98,501.59 ; -201.47,486.51 -204.98,501.59 ; -201.47,486.51 -204.98,501.59 ; -201.47,486.51 -204.98,501.59 ; -229.98,480.17 -222.21,471.84 ; -229.98,480.17 -222.21,471.84 ; -229.98,480.17 -222.21,471.84 ; -229.98,480.17 -222.21,471.84 ; -229.98,480.17 -222.21,471.84 ; -229.98,480.17 -222.21,471.84 ; -229.98,480.17 -222.21,471.84 ; -229.98,480.17 -222.21,471.84 ; -229.98,480.17 -222.21,471.84 ; -222.21,471.84 -229.58,479.87 ; -222.21,471.84 -229.58,479.87 ; -222.21,471.84 -229.58,479.87 ; -222.21,471.84 arc(-223.9,469.12) -225.41,466.3 ; -222.21,471.84 arc(-223.9,469.12) -225.41,466.3 ; -222.21,471.84 arc(-223.9,469.12) -225.41,466.3 ; -222.21,471.84 arc(-223.9,469.12) -225.41,466.3 ; -222.21,471.84 arc(-223.9,469.12) -225.41,466.3 ; -222.21,471.84 arc(-223.9,469.12) -225.41,466.3 ; -222.21,471.84 arc(-223.9,469.12) -225.41,466.3 ; -222.21,471.84 arc(-223.9,469.12) -225.41,466.3 ; -222.21,471.84 arc(-223.9,469.12) -225.41,466.3 ; -222.21,471.84 arc(-223.9,469.12) -225.41,466.3 ; -222.21,471.84 arc(-223.9,469.12) -225.41,466.3 ; -222.21,471.84 arc(-223.9,469.12) -225.41,466.3 ; -190.36,389.53 arc(-183.89,389.16) -177.42,389.53 ; -190.36,389.53 arc(-183.89,389.16) -177.42,389.53 ; -190.36,389.53 arc(-183.89,389.16) -177.42,389.53 ; -196.72,385.87 -190.63,404.5 ; -196.72,385.87 -190.63,404.5 ; -196.72,385.87 -190.63,404.5 ; -196.72,385.87 -190.63,404.5 ; -196.72,385.87 -190.63,404.5 ; -196.72,385.87 -190.63,404.5 ; -196.72,385.87 -190.63,404.5 ; -196.72,385.87 -190.63,404.5 ; -196.72,385.87 -190.63,404.5 ; -196.72,385.87 arc(-183.89,384.52) -171.07,385.87 ; -196.72,385.87 arc(-183.89,384.52) -171.07,385.87 ; -196.72,385.87 arc(-183.89,384.52) -171.07,385.87 ; -196.72,385.87 arc(-183.89,384.52) -171.07,385.87 ; -196.72,385.87 arc(-183.89,384.52) -171.07,385.87 ; -196.72,385.87 arc(-183.89,384.52) -171.07,385.87 ; -196.72,385.87 arc(-183.89,384.52) -171.07,385.87 ; -196.72,385.87 arc(-183.89,384.52) -171.07,385.87 ; -196.72,385.87 arc(-183.89,384.52) -171.07,385.87 ; -190.63,404.5 -196.61,386.36 ; -190.63,404.5 -196.61,386.36 ; -190.63,404.5 -196.61,386.36 ; -174.37,504.69 arc(-183.89,505.45) -193.41,504.69 ; -174.37,504.69 arc(-183.89,505.45) -193.41,504.69 ; -174.37,504.69 arc(-183.89,505.45) -193.41,504.69 ; -174.37,504.69 arc(-183.89,505.45) -193.41,504.69 ; -174.37,504.69 arc(-183.89,505.45) -193.41,504.69 ; -174.37,504.69 arc(-183.89,505.45) -193.41,504.69 ; -174.37,504.69 arc(-183.89,505.45) -193.41,504.69 ; -174.37,504.69 arc(-183.89,505.45) -193.41,504.69 ; -174.37,504.69 arc(-183.89,505.45) -193.41,504.69 ; -206.73,498.64 arc(-212.57,495.7) -218.04,492.11 ; -206.73,498.64 arc(-212.57,495.7) -218.04,492.11 ; -206.73,498.64 arc(-212.57,495.7) -218.04,492.11 ; -206.73,498.64 arc(-212.57,495.7) -218.04,492.11 ; -206.73,498.64 arc(-212.57,495.7) -218.04,492.11 ; -206.73,498.64 arc(-212.57,495.7) -218.04,492.11 ; -206.73,498.64 arc(-212.57,495.7) -218.04,492.11 ; -206.73,498.64 arc(-212.57,495.7) -218.04,492.11 ; -206.73,498.64 arc(-212.57,495.7) -218.04,492.11 ; -236.51,423.18 arc(-233.57,417.34) -229.98,411.87 ; -236.51,423.18 arc(-233.57,417.34) -229.98,411.87 ; -236.51,423.18 arc(-233.57,417.34) -229.98,411.87 ; -236.51,423.18 arc(-233.57,417.34) -229.98,411.87 ; -236.51,423.18 arc(-233.57,417.34) -229.98,411.87 ; -236.51,423.18 arc(-233.57,417.34) -229.98,411.87 ; -236.51,423.18 arc(-233.57,417.34) -229.98,411.87 ; -236.51,423.18 arc(-233.57,417.34) -229.98,411.87 ; -236.51,423.18 arc(-233.57,417.34) -229.98,411.87 ; -138.58,405.18 -151.3,419.42 ; -138.58,405.18 -151.3,419.42 ; -138.58,405.18 -151.3,419.42 ; -138.58,405.18 arc(-131.06,415.52) -125.86,427.21 ; -138.58,405.18 arc(-131.06,415.52) -125.86,427.21 ; -138.58,405.18 arc(-131.06,415.52) -125.86,427.21 ; -151.3,419.42 -138.21,404.84 ; -151.3,419.42 -138.21,404.84 ; -151.3,419.42 -138.21,404.84 ; -151.3,419.42 -138.21,404.84 ; -151.3,419.42 -138.21,404.84 ; -151.3,419.42 -138.21,404.84 ; -151.3,419.42 -138.21,404.84 ; -151.3,419.42 -138.21,404.84 ; -151.3,419.42 -138.21,404.84 ; -178.87,402.17 -177.36,389.03 ; -178.87,402.17 -177.36,389.03 ; -178.87,402.17 -177.36,389.03 ; -178.87,402.17 -177.36,389.03 ; -178.87,402.17 -177.42,389.53 ; -178.87,402.17 -177.36,389.03 ; -178.87,402.17 -177.42,389.53 ; -178.87,402.17 -177.36,389.03 ; -178.87,402.17 -177.36,389.03 ; -178.87,402.17 -177.36,389.03 ; -178.87,402.17 -177.42,389.53 ; -178.87,402.17 -177.36,389.03 ; -166.31,486.51 -161.05,498.64 ; -166.31,486.51 -161.05,498.64 ; -166.31,486.51 -161.05,498.64 ; -166.31,486.51 -161.25,498.18 ; -166.31,486.51 -161.05,498.64 ; -166.31,486.51 -161.05,498.64 ; -166.31,486.51 -161.05,498.64 ; -166.31,486.51 -161.05,498.64 ; -166.31,486.51 -161.25,498.18 ; -166.31,486.51 -161.05,498.64 ; -166.31,486.51 -161.05,498.64 ; -166.31,486.51 -161.25,498.18 ; -161.05,498.64 arc(-155.21,495.7) -149.74,492.11 ; -161.05,498.64 arc(-155.21,495.7) -149.74,492.11 ; -161.05,498.64 arc(-155.21,495.7) -149.74,492.11 ; -161.05,498.64 arc(-155.21,495.7) -149.74,492.11 ; -161.05,498.64 arc(-155.21,495.7) -149.74,492.11 ; -161.05,498.64 arc(-155.21,495.7) -149.74,492.11 ; -161.05,498.64 arc(-155.21,495.7) -149.74,492.11 ; -161.05,498.64 arc(-155.21,495.7) -149.74,492.11 ; -161.05,498.64 arc(-155.21,495.7) -149.74,492.11 ; -157.29,413.43 -146.63,400.36 ; -157.29,413.43 -146.31,399.98 ; -157.29,413.43 -146.31,399.98 ; -157.29,413.43 -146.31,399.98 ; -157.29,413.43 -146.31,399.98 ; -157.29,413.43 -146.63,400.36 ; -157.29,413.43 -146.31,399.98 ; -157.29,413.43 -146.31,399.98 ; -157.29,413.43 -146.31,399.98 ; -157.29,413.43 -146.63,400.36 ; -157.29,413.43 -146.31,399.98 ; -157.29,413.43 -146.31,399.98 ; -174.45,387.85 arc(-183.89,387.09) -193.33,387.85 ; -174.45,387.85 arc(-183.89,387.09) -193.33,387.85 ; -174.45,387.85 arc(-183.89,387.09) -193.33,387.85 ; -128.79,466.93 arc(-132.85,475.49) -138.23,483.28 ; -128.79,466.93 arc(-132.85,475.49) -138.23,483.28 ; -128.79,466.93 arc(-132.85,475.49) -138.23,483.28 ; -221.15,400.36 -210.16,410.56 ; -221.15,400.36 -210.16,410.56 ; -221.15,400.36 -210.16,410.56 ; -221.15,400.36 arc(-213.36,394.99) -204.8,390.92 ; -221.15,400.36 arc(-213.36,394.99) -204.8,390.92 ; -221.15,400.36 arc(-213.36,394.99) -204.8,390.92 ; -210.16,410.56 -221.47,399.98 ; -210.16,410.56 -221.47,399.98 ; -210.16,410.56 -221.47,399.98 ; -210.16,410.56 -221.47,399.98 ; -210.16,410.56 -221.47,399.98 ; -210.16,410.56 -221.47,399.98 ; -210.16,410.56 -221.47,399.98 ; -210.16,410.56 -221.47,399.98 ; -210.16,410.56 -221.47,399.98 ; -180.1,391.36 arc(-191.04,391.69) -183.89,391.23 ; -180.1,391.36 arc(-191.04,391.69) -183.89,391.23 ; -180.1,391.36 arc(-191.04,391.69) -183.89,391.23 ; -165.08,388 arc(-153.39,393.19) -143.04,400.72 ; -165.08,388 arc(-153.39,393.19) -143.04,400.72 ; -165.08,388 arc(-153.39,393.19) -143.04,400.72 ; -138.45,476.64 arc(-133.27,466.99) -136.44,473.42 ; -138.45,476.64 arc(-133.27,466.99) -136.44,473.42 ; -138.45,476.64 arc(-133.27,466.99) -136.44,473.42 ; -163.61,487.54 -159.84,495.26 ; -163.61,487.54 -159.62,495.71 ; -163.61,487.54 -159.84,495.26 ; -163.61,487.54 -159.62,495.71 ; -163.61,487.54 -159.62,495.71 ; -163.61,487.54 -159.62,495.71 ; -163.61,487.54 -159.62,495.71 ; -163.61,487.54 -159.62,495.71 ; -163.61,487.54 -159.62,495.71 ; -163.61,487.54 -159.62,495.71 ; -163.61,487.54 -159.62,495.71 ; -163.61,487.54 -159.84,495.26 ; -163.61,487.54 arc(-160.79,486.04) -158.08,484.34 ; -163.61,487.54 arc(-160.79,486.04) -158.08,484.34 ; -163.61,487.54 arc(-160.79,486.04) -158.08,484.34 ; -163.61,487.54 arc(-160.79,486.04) -158.08,484.34 ; -163.61,487.54 arc(-160.79,486.04) -158.08,484.34 ; -163.61,487.54 arc(-160.79,486.04) -158.08,484.34 ; -163.61,487.54 arc(-160.79,486.04) -158.08,484.34 ; -163.61,487.54 arc(-160.79,486.04) -158.08,484.34 ; -163.61,487.54 arc(-160.79,486.04) -158.08,484.34 ; -163.61,487.54 arc(-160.79,486.04) -158.08,484.34 ; -163.61,487.54 arc(-160.79,486.04) -158.08,484.34 ; -163.61,487.54 arc(-160.79,486.04) -158.08,484.34 ; -159.84,495.26 arc(-150.53,489.49) -156.49,493.48 ; -159.84,495.26 arc(-150.53,489.49) -156.49,493.48 ; -159.84,495.26 arc(-150.53,489.49) -156.49,493.48 ; -190.63,487.55 -193.41,504.69 ; -190.63,487.55 -193.41,504.69 ; -190.63,487.55 -193.33,504.19 ; -190.63,487.55 -193.33,504.19 ; -190.63,487.55 -193.41,504.69 ; -190.63,487.55 -193.33,504.19 ; -190.63,487.55 -193.41,504.69 ; -190.63,487.55 -193.41,504.69 ; -190.63,487.55 -193.41,504.69 ; -190.63,487.55 -193.41,504.69 ; -190.63,487.55 -193.41,504.69 ; -190.63,487.55 -193.41,504.69 ; -204.17,404.51 -208.16,396.34 ; -204.17,404.51 -208.16,396.34 